# Altium PCB Gateway_V2.PcbDoc (part 1 of 2) (continued)
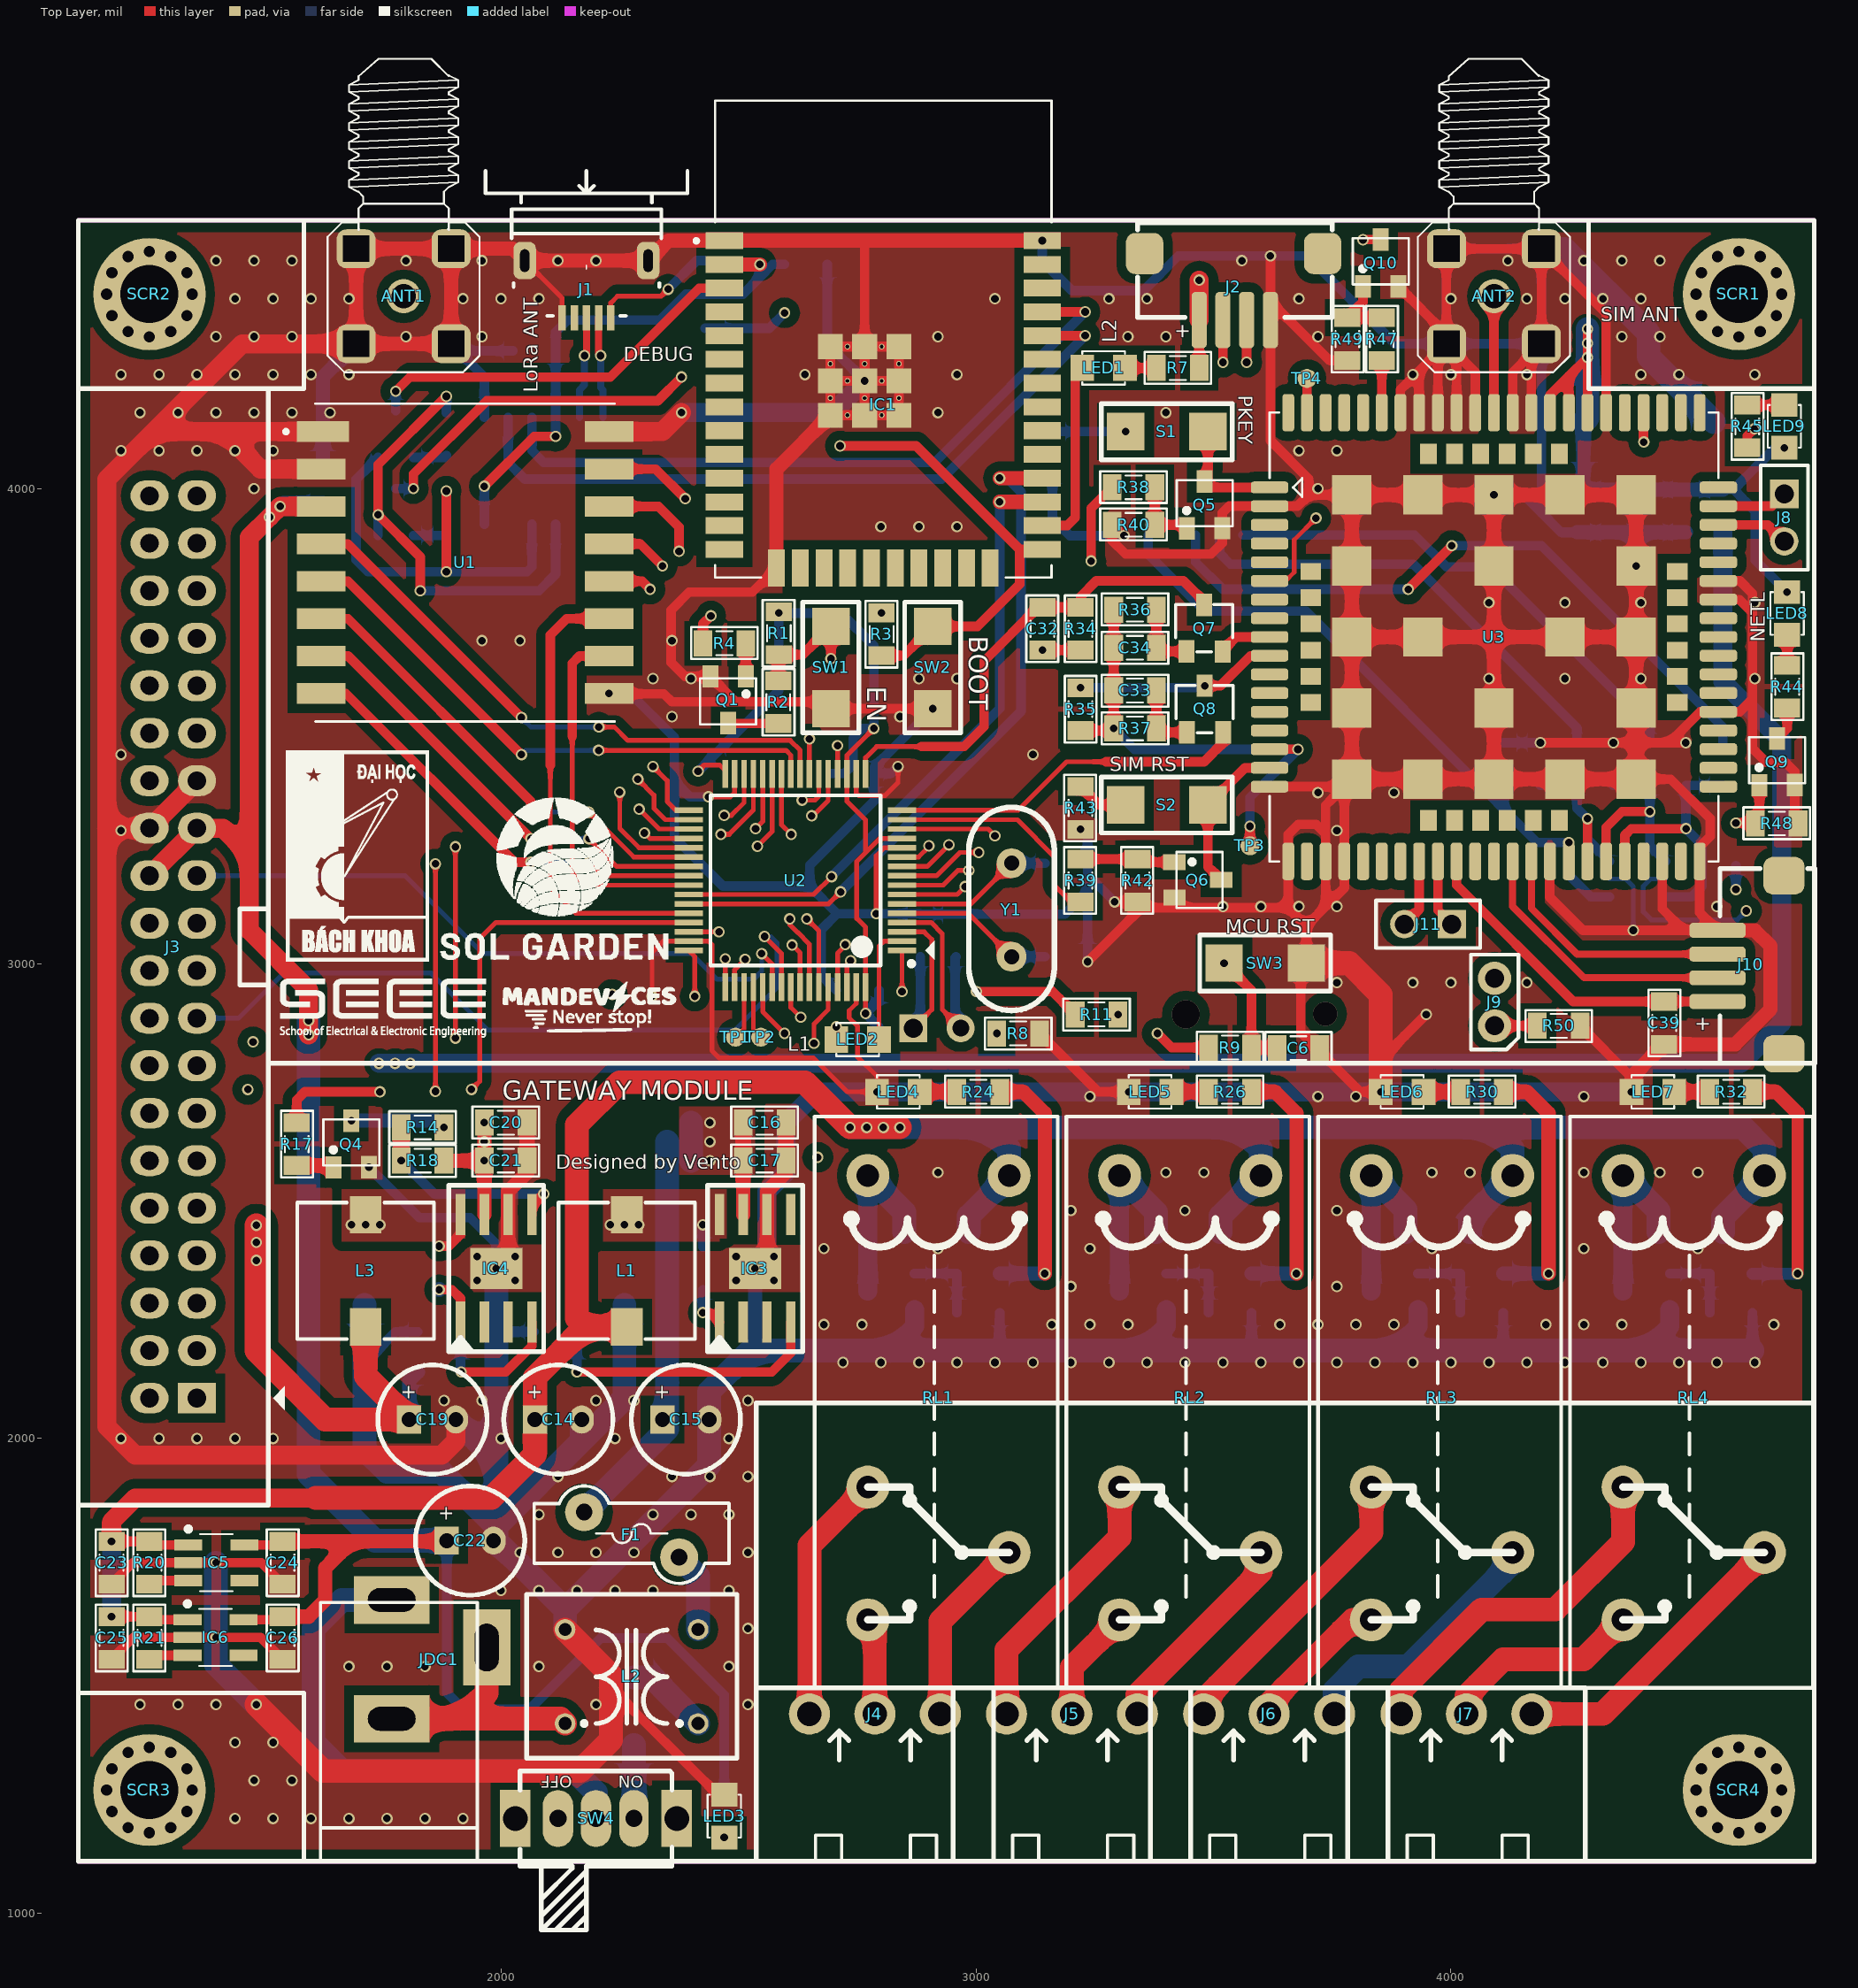
[diagram p0: Top Layer view]
## Classes and differential pairs
component class Main: SCR1 SCR2 SCR3 SCR4
component class U_SIM4G: ANT2 C27 C28 C29 C30 C31 C32 C33 C34 C35 C36 C37 C38 C39 FB1 IC11 J8 J9 J10 J11 LED8 LED9 Q5 Q6 Q7 Q8 Q9 Q10 R34 R35 R36 R37 R38 R39 R40 R41 R42 R43 R44 R45 R46 R47 R48 R49 R50 R51 R52 R53 S1 S2 TP3 TP4 U3 U4
component class 06: D5 D6 D7 D8 IC7 IC8 IC9 IC10 J4 J5 J6 J7 LED4 LED5 LED6 LED7 R22 R23 R24 R25 R26 R27 R28 R29 R30 R31 R32 R33 RL1 RL2 RL3 RL4
component class 05: J3
component class 04: C13 C14 C15 C16 C17 C18 C19 C20 C21 C22 C23 C24 C25 C26 D2 D3 D4 F1 IC3 IC4 IC5 IC6 JDC1 L1 L2 L3 LED3 Q4 R12 R13 R14 R15 R16 R17 R18 R19 R20 R21 SW4
component class 03: C1 C2 D1 IC1 IC2 J1 LED1 Q1 Q2 Q3 R1 R2 R3 R4 R5 R6 R7 SW1 SW2
component class 02: ANT1 C3 U1
component class 01: BT1 C4 C5 C6 C7 C8 C9 C10 C11 C12 J2 LED2 R8 R9 R10 R11 SW3 TP1 TP2 U2 Y1 Y2
differential pair SIM: +SIM_P -SIM_N
differential pair D: +D_P -D_N

## Components (designator, comment, footprint, x,y, rotation, side; value= is the part's Value field where it differs from the comment)
ANT1 "anten" SMA-RA 1795,4405 r180 top
ANT2 "anten" SMA-RA 4090.63,4405 r180 top
BT1 "PIN 3V" "CR1220 SMD" 3595,2902 r90 bottom
C1 "10uF" CAP_0805 2642,4472.09 r0 bottom value=33p
C2 "100nF" CAP_0805 2070,4290 r180 bottom value=33p
C3 "10uF" CAP_0805 1625,4015 r270 bottom value=33p
C4 "22pF" CAP_0805 3190,3014.54 r180 bottom value=33p
C5 "22pF" CAP_0805 3190,3211.39 r180 bottom value=33p
C6 "100nF" CAP_0805 3678.88,2822 r180 top value=33p
C7 "100nF" CAP_0805 2363,2931 r0 bottom value=33p
C8 "100nF" CAP_0805 2410,3445 r0 bottom value=33p
C9 "100nF" CAP_0805 2751,2944 r0 bottom value=33p
C10 "4.7uF" CAP_0805 2741,3400 r180 bottom value=33p
C11 "10pF" CAP_0805 2883,3059 r270 bottom value=33p
C12 "10pF" CAP_0805 2958,3059 r270 bottom value=33p
C13 "10nF" CAP_0805 2425,2358.19 r270 bottom value=33p
C14 "220uF/16V" C8mm 2120.79,2040 r0 top
C15 "470uF/25V" C8mm 2389.21,2040 r0 top
C16 "10uF" CAP_0805 2555,2665 r180 top value=33p
C17 "4.7uF" CAP_0805 2555,2585 r180 top value=33p
C18 "10nF" CAP_0805 1870,2360 r270 bottom value=33p
C19 "220uF/16V" C8mm 1855.79,2040 r0 top
C20 "10uF" CAP_0805 2010,2665 r180 top value=33p
C21 "4.7uF" CAP_0805 2010,2585 r180 top value=33p
C22 "220uF/10V" C8mm 1935,1785 r0 top
C23 "10uF" CAP_0805 1180,1738.43 r90 top value=33p
C24 "10uF" CAP_0805 1540,1738.43 r90 top value=33p
C25 "10uF" CAP_0805 1180,1580 r90 top value=33p
C26 "10uF" CAP_0805 1540,1580 r90 top value=33p
C27 "Cap Pol" CAP_7343 4414,4140 r0 bottom
C28 "1uF" CAP_0805 4495,3953 r90 bottom value=33p
C29 "100nF" CAP_0805 4419,3953 r90 bottom value=33p
C30 "33pF" CAP_0805 4343,3953 r90 bottom value=33p
C31 "10pF" CAP_0805 4266,3953 r90 bottom value=33p
C32 "470pF" CAP_0805 3140,3705 r270 top value=33p
C33 "1nF" CAP_0805 3335,3575 r0 top value=33p
C34 "1nF" CAP_0805 3335,3665 r0 top value=33p
C35 "100nF" CAP_0805 4111.61,3420 r90 bottom value=33p
C36 "22pF" CAP_0805 4188.4,3420 r90 bottom value=33p
C37 "22pF" CAP_0805 4342,3420 r90 bottom value=33p
C38 "22pF" CAP_0805 4494.6,3420 r270 bottom value=33p
C39 "100nF" CAP_0805 4449,2875 r90 top value=33p
D1 "SS34" DO-214AC(SMA) 2433,4431 r90 bottom
D2 "SS34" DO-214AC(SMA) 2277,1404 r270 bottom
D3 "SS34" DO-214AC(SMA) 2257,2330 r270 bottom
D4 "SS34" DO-214AC(SMA) 1710,2330 r270 bottom
D5 "1N4147" DIO_R_SMD 2917.09,2435 r0 bottom
D6 "1N4147" DIO_R_SMD 3447.09,2435 r0 bottom
D7 "1N4147" DIO_R_SMD 3972.09,2435 r0 bottom
D8 "1N4147" DIO_R_SMD 4505,2435 r0 bottom
F1 "F1A" FUSE2C 2400,1800 r180 top value=Fuse
FB1 "22R@1MHz" RES-SMD-0805 4573,3953 r90 bottom
IC1 "ESP32-WROOM-32" MODULE_ESP32-WROOM-32 2805,4315 r0 top
IC2 "CH340C" SO16 2140,4037.64 r270 bottom
IC3 "TPS5430" TPS5430-2 2535,2358.19 r90 top
IC4 "TPS5430" TPS5430-2 1990,2358.19 r90 top
IC5 "RT9013" SOT23-5 1400.79,1738.43 r0 top
IC6 "RT9013" SOT23-5 1399.06,1581.03 r0 top
IC7 "AO3400" SOT23A 2821.58,2310.2 r270 bottom
IC8 "AO3400" SOT23A 3351.58,2310.2 r270 bottom
IC9 "AO3400" SOT23A 3881.58,2310.2 r270 bottom
IC10 "AO3400" SOT23A 4411.58,2310.2 r270 bottom
IC11 "TPD4E001" SOT23-6 4393,3178 r0 bottom
J1 "USB-5" USB-M4 2180,4480 r180 top
J2 "ST_Link" "Header4 - SMD 1.25mm - B" 3315,4270 r0 top
J3 "IDE IDC 40" "IDE 20X2" 1360,2085 r90 top
J4 "KF3" KF3-3.5-EDG 2787.2,1420 r0 top
J5 "KF3" KF3-3.5-EDG 3202.2,1420 r0 top
J6 "KF3" KF3-3.5-EDG 3617.2,1420 r0 top
J7 "KF3" KF3-3.5-EDG 4032.8,1420 r0 top
J8 "JP2" JP2-C1T 4702,3989 r270 top
J9 "JP2" JP2-CLOSED 4092,2869 r180 top
J10 "JP4" "Header4 - SMD 1.25mm - B" 4476.3,3225 r270 top
J11 "JP2" JP2-C1T 4002,3083 r180 top
JDC1 "Jac DC" DC-IN 1870,1535 r90 top
L1 "22uH" L-SMD-M-7.3x4.5 2265,2353.19 r0 top value="150 mH"
L2 "Inductor Filter" EE8.3 2482,1342 r90 top value="Loc 220"
L3 "22uH" L-SMD-M-7.3x4.5 1715,2353.19 r0 top value="150 mH"
LED1 "LED" LED-0805-Blue 3314,4254 r180 top value="LED 3 ly Single Colour"
LED2 "LED" LED-0805-Green 2706,2840 r0 top value="LED 3 ly Single Colour"
LED3 "LED" LED-0805-Red 2470,1160 r90 top value="LED 3 ly Single Colour"
LED4 "LED" LED-0805-Red 2881.71,2730 r180 top value="LED 3 ly Single Colour"
LED5 "LED" LED-0805-Red 3411.71,2730 r180 top value="LED 3 ly Single Colour"
LED6 "LED" LED-0805-Red 3942.35,2730 r180 top value="LED 3 ly Single Colour"
LED7 "LED" LED-0805-Red 4470.01,2730.01 r180 top value="LED 3 ly Single Colour"
LED8 "LED" LED-0805-Orange 4708,3782 r270 top value="LED 3 ly Single Colour"
LED9 "LED" LED-0805-Orange 4702,4086 r90 top value="LED 3 ly Single Colour"
Q1 "2SC1815" SOT23D 2478,3555.6 r180 top value=C1815
Q2 "C1815" SOT23D 1778.28,4115 r180 bottom
Q3 "C1815" SOT23D 1778.28,3950.79 r180 bottom
Q4 "2SC1815" SOT23D 1685,2620 r0 top value=C1815
Q5 "2SC1815" SOT23D 3481.71,3965.79 r0 top value=C1815
Q6 "2SC1815" SOT23D 3467,3176 r270 top value=C1815
Q7 "MMBT3904" MMBT3904 3480.61,3706.17 r0 top
Q8 "MMBT3904" MMBT3904 3481.51,3535.79 r0 top
Q9 "2SC1815" SOT23D 4687,3424.79 r0 top value=C1815
Q10 "2SC1815" SOT23D 3852.35,4475 r0 top value=C1815
R1 "10k" RES-SMD-0805 2585,3695.38 r270 top
R2 "0R" RES-SMD-0805 2584,3550.39 r90 top
R3 "10k" RES-SMD-0805 2801.36,3693.38 r270 top
R4 "1k" RES-SMD-0805 2470.4,3674.39 r180 top
R5 "10k" RES-SMD-0805 1885,4115 r270 bottom
R6 "10k" RES-SMD-0805 1885,3950 r270 bottom
R7 "1k" RES-SMD-0805 3425,4254 r180 top
R8 "100k" RES-SMD-0805 3089,2853 r0 top
R9 "10k" RES-SMD-0805 3535,2823.14 r0 top
R10 "1k" RES-SMD-0805 2751,2867 r180 bottom
R11 "0R" RES-SMD-0805 3254,2893 r0 top
R12 "10k" RES-SMD-0805 2115,2140 r180 bottom
R13 "3k3" RES-SMD-0805 2115,2225 r0 bottom
R14 "0R" RES-SMD-0805 1835,2655 r180 top
R15 "1k" RES-SMD-0805 2470,1205 r90 bottom
R16 "10k" RES-SMD-0805 1870,2140 r180 bottom
R17 "1k" RES-SMD-0805 1570,2620 r90 top
R18 "100k" RES-SMD-0805 1835,2585 r0 top
R19 "4k7" RES-SMD-0805 1870,2225 r0 bottom
R20 "100k" RES-SMD-0805 1260,1738.43 r270 top
R21 "100k" RES-SMD-0805 1260,1580 r270 top
R22 "330R" RES-SMD-0805 3005,2347.2 r180 bottom
R23 "330R" RES-SMD-0805 3535,2347.2 r180 bottom
R24 "330R" RES-SMD-0805 3005,2730 r180 top
R25 "100k" RES-SMD-0805 3005,2265 r180 bottom
R26 "330R" RES-SMD-0805 3535,2730 r180 top
R27 "100k" RES-SMD-0805 3535,2265 r180 bottom
R28 "330R" RES-SMD-0805 4065,2347.2 r180 bottom
R29 "330R" RES-SMD-0805 4590,2347.2 r180 bottom
R30 "330R" RES-SMD-0805 4065.64,2730.01 r180 top
R31 "100k" RES-SMD-0805 4065,2265 r180 bottom
R32 "330R" RES-SMD-0805 4590.01,2730.01 r180 top
R33 "100k" RES-SMD-0805 4590,2265 r180 bottom
R34 "4k7" RES-SMD-0805 3220,3705 r90 top
R35 "4k7" RES-SMD-0805 3220,3535.71 r90 top
R36 "4k7" RES-SMD-0805 3335,3745.1 r180 top
R37 "4k7" RES-SMD-0805 3335,3495 r180 top
R38 "4k7" RES-SMD-0805 3331.71,4002.68 r180 top
R39 "4k7" RES-SMD-0805 3220,3175 r270 top
R40 "47k" RES-SMD-0805 3331.71,3923.94 r180 top
R41 "10k" RES-SMD-0805 3161,4075 r270 bottom
R42 "47k" RES-SMD-0805 3340,3175 r270 top
R43 "10k" RES-SMD-0805 3220,3327.6 r270 top
R44 "1k" RES-SMD-0805 4708,3583 r90 top
R45 "1k" RES-SMD-0805 4624,4131 r90 top
R46 "4k7" RES-SMD-0805 4600,3251 r90 bottom
R47 "4k7" RES-SMD-0805 3854.41,4315 r90 top
R48 "47k" RES-SMD-0805 4686,3295 r180 top
R49 "47k" RES-SMD-0805 3782,4315 r90 top
R50 "10k" RES-SMD-0805 4227,2869 r0 top
R51 "22R" RES-SMD-0805 4265.2,3420 r90 bottom
R52 "22R" RES-SMD-0805 4418.8,3420 r90 bottom
R53 "22R" RES-SMD-0805 4572.39,3420 r90 bottom
RL1 "Relay" HF115F-XXX-1Z 3160.46,2650.92 r180 top
RL2 "Relay" HF115F-XXX-1Z 3690.46,2650.92 r180 top
RL3 "Relay" HF115F-XXX-1Z 4220.46,2650.92 r180 top
RL4 "Relay" HF115F-XXX-1Z 4750.46,2650.92 r180 top
S1 "SW-SMD" "SW 3x2x4" 3401.71,4120 r0 top
S2 "SW-SMD" "SW 3x2x4" 3401.71,3334 r0 top
SCR1 "Screw 3mm" SCREW 4606.3,4409.45 r0 top
SCR2 "Screw 3mm" SCREW 1259.84,4409.45 r0 top
SCR3 "Screw 3mm" SCREW 1259.84,1259.84 r0 top
SCR4 "Screw 3mm" SCREW 4606.3,1259.84 r0 top
SW1 "SW" "SW 3x2x4" 2694.64,3623.39 r90 top value="SW chip 2 pin"
SW2 "SW" "SW 3x2x4" 2909,3623.39 r90 top value="SW chip 2 pin"
SW3 "SW" "SW 3x2x4" 3609,3001 r180 top value="SW chip 2 pin"
SW4 "A_ON/OFF" SW102_SIDE 2280,1200 r180 top value="SW chip 2 pin"
TP1 "" TP_SMD 2494,2845 r90 top
TP2 "" TP_SMD 2547,2845 r90 top
TP3 "TEST POINT" TP_SMD 3577,3248 r180 top
TP4 "TEST POINT" TP_SMD 3697,4232 r180 top
U1 "Ra-02 LoRa" Ra-02 1924.21,3844.41 r0 top
U2 "STM32F103RCT6_MCU" "LQFP 64" 2620,3175 r180 top
U3 "A7672S" A7672S 4090.63,3687.56 r0 top
U4 "SIM-KF016" "Sim Socket" 3565,4205 r0 bottom value="Sim holder"
Y1 "8MHz" XTAL 3075,3115 r90 top
Y2 "32.768KHz" XTAL32K 2868,2864 r0 bottom

## Footprints (in the part's own frame and the unit in brackets; to place one, negate y for a bottom-side part, rotate by r counter-clockwise, add the part's x,y. Pads: shape width x height; smd on the part's side, far side on the other; paste and mask are expansions set on the pad)
A7672S [mm] "SIMCOM A7672S"
  rrect50% 2x0.635 smd: 1(-12,8) 2(-12,7) 3(-12,6) 4(-12,5) 5(-12,4) 6(-12,3) 7(-12,2) 8(-12,1) 9(-12,0) 10(-12,-1) 11(-12,-2) 12(-12,-3) 13(-12,-4) 14(-12,-5) 15(-12,-6) 16(-12,-7) 17(-12,-8) 35(12,-8) 36(12,-7) 37(12,-6) 38(12,-5) 39(12,-4) 40(12,-3) 41(12,-2) 42(12,-1) 43(12,0) 44(12,1) 45(12,2) 46(12,3) 47(12,4) 48(12,5) 49(12,6) 50(12,7) 51(12,8)
  rrect50% 0.635x2 smd: 18(-8,-12) 19(-7,-12) 20(-6,-12) 21(-5,-12) 22(-4,-12) 23(-3,-12) 24(-2,-12) 25(-1,-12) 26(0,-12) 27(1,-12) 28(2,-12) 29(3,-12) 30(4,-12) 31(5,-12) 32(6,-12) 33(7,-12) 34(8,-12) 52(8,12) 53(7,12) 54(6,12) 55(5,12) 56(4,12) 57(3,12) 58(2,12) 59(1,12) 60(0,12) 61(-1,12) 62(-2,12) 63(-3,12) 64(-4,12) 65(-5,12) 66(-6,12) 67(-7,12) 68(-8,12) 89(-11,-12) 90(-10,-12) 91(-9,-12) 92(9,-12) 93(10,-12) 94(11,-12) 95(11,12) 96(10,12) 97(9,12) 98(-9,12) 99(-10,12) 100(-11,12)
  rect 2.1x2.1 smd: 69(-7.6,7.6) 70(-7.6,3.8) 71(-7.6,0) 72(-7.6,-3.8) 73(-7.6,-7.6) 74(-3.8,-7.6) 75(0,-7.6) 76(3.8,-7.6) 77(7.6,-7.6) 78(7.6,-3.8) 79(7.6,0) 80(7.6,3.8) 81(7.6,7.6) 82(3.8,7.6) 83(0,7.6) 84(-3.8,7.6) 85(-3.8,0) 86(0,-3.8) 87(3.8,0) 88(0,3.8)
  rect 1.1x0.9 smd: 101(-9.8,3.5) 102(-9.8,2.1) 103(-9.8,0.7) 104(-9.8,-0.7) 105(-9.8,-2.1) 106(-9.8,-3.5) 113(9.8,-3.5) 114(9.8,-2.1) 115(9.8,-0.7) 116(9.8,0.7) 117(9.8,2.1) 118(9.8,3.5)
  rect 0.9x1.1 smd: 107(-3.5,-9.8) 108(-2.1,-9.8) 109(-0.7,-9.8) 110(0.7,-9.8) 111(2.1,-9.8) 112(3.5,-9.8) 119(3.5,9.8) 120(2.1,9.8) 121(0.7,9.8) 122(-0.7,9.8) 123(-2.1,9.8) 124(-3.5,9.8)
  silkscreen extent -12,-12 12,12, body extent -12,-12 12,12, height 2.6
C8mm [mm]
  rect 1.3x1.5 hole 0.8: 1(-1.25,0)
  oval 1.3x1.5 hole 0.8: 2(1.25,0)
  silkscreen extent -2.92,-2.92 2.92,2.92, body extent -3.15,-3.15 3.16,3.15, height 11.51
CAP_0805 [mil]
  rect 39.37x55 smd: 1(-45,0) 2(45,0)
  silkscreen extent -70,-34 70,33, body extent -40,-25 40,25, height 24
CAP_7343 [mm] "Capacitor Tantalum 7343"
  rrect50% 2.5x4.3 smd: 1(-3.429,0) 2(3.556,0)
  silkscreen extent -5.08,-2.54 5.21,2.54, body extent -3.75,-2.14 3.75,2.16, height 2.8
"CR1220 SMD" [mil] "CR1220 SMD"
  rect 98.43x157.48 smd: 1(-9,-341) 2(-9,353)
  silkscreen extent -279,-255 261,284, body extent -299,-362 281,394, height 179
DC-IN [mil] "Jac DC input"
  rect 100x160 hole 50 slot 100 at 90 deg: 1(125,100) 2(-125,100)
  rect 160x100 hole 50 slot 100 at 0 deg: 3(25,-100)
  silkscreen extent -425,-80 120,250, body extent -410,-105 134,269, height 434
DIO_R_SMD [mil]
  rect 60x60 smd: 1(-67.91,0) 2(67.91,0)
  silkscreen extent -109,-40 109,41, body extent -71,-23 67,25, height 47
DO-214AC(SMA) [mm] "DO-214AC Diode Smallest Size"
  rect 2x2.1 smd: 1(1.245,-0.076) 2(-2.367,-0.076)
  silkscreen extent -3.56,-1.86 2.62,1.76, body extent -3.13,-1.38 2.07,1.22, height 2.4
EE8.3 [mm]
  round 1.1 hole 0.7: 1(1.473,1.702) 2(6.502,1.702) 3(6.502,8.814) 4(1.473,8.814)
  silkscreen extent -0.38,-0.38 8.38,10.87, body extent 0,0 8,10.5, height 8.85
FUSE2C [mil] "Fuse"
  round 80 hole 35: 1(25,50) 2(225,-45)
  silkscreen extent -80,-100 330,105, body extent -76,-59 326,59, height 618
"Header4 - SMD 1.25mm - B" [mm] "CON4"
  rrect50% 0.8x3 smd: 1(3.937,2.159) 2(5.207,2.159) 3(6.477,2.159) 4(7.747,2.159)
  rrect50% 2x2.2 smd: 5(1.016,5.715) 5(10.541,5.715)
  silkscreen extent 0.64,2.29 11.05,7.37, body extent 0.7,2.54 10.99,7.24, height 3.45
HF115F-XXX-1Z [mm] "Relay"
  round 2.3 hole 1.2: 1(2.298,2.469) 2(9.858,2.469) 3(9.858,19.129) 4(2.298,22.629) 5(9.858,26.229)
  silkscreen extent -0.3,-0.69 12.7,29.87, body extent 0,0 12.4,29, height 16
"IDE 20X2" [mil]
  rect 65x80 hole 39.37: 1(0,0)
  oval 65x80 hole 39.37: 2(0,100) 3(100,0) 4(100,100) 5(200,0) 6(200,100) 7(300,0) 8(300,100) 9(400,0) 10(400,100) 11(500,0) 12(500,100) 13(600,0) 14(600,100) 15(700,0) 16(700,100) 17(800,0) 18(800,100) 19(900,0) 20(900,100) 21(1000,0) 22(1000,100) 23(1100,0) 24(1100,100) 25(1200,0) 26(1200,100) 27(1300,0) 28(1300,100) 29(1400,0) 30(1400,100) 31(1500,0) 32(1500,100) 33(1600,0) 34(1600,100) 35(1700,0) 36(1700,100) 37(1800,0) 38(1800,100) 39(1900,0) 40(1900,100)
  silkscreen extent -225,-185 2125,250, body extent -204,-127 2104,223, height 354
JP2-C1T [mm] "2 row, straight, gold plating"
  rect 1.52x1.52 hole 1.02: 1(0,0)
  round 1.52 hole 1.02: 2(2.54,0)
  silkscreen extent -1.52,-1.27 4.06,1.27, body extent -1.52,-1.25 4.06,1.25, height 8.51
JP2-CLOSED [mil]
  round 70 hole 40: 1(0,0) 2(0,-100)
  silkscreen extent -50,-150 50,50, body extent -50,-152 50,50, height 300
KF3-3.5-EDG [mm] "3,50mm - modular - blue - Horizontal wire entry - Pressure clamp - 8,4mm height - 03p"
  round 2.2 hole 1.3: 1(-3.5,0) 2(0,0) 3(3.5,0)
  silkscreen extent -6.35,-7.87 6.35,1.4, body extent -6.25,-16.83 6.25,1.27, height 7.8
L-SMD-M-7.3x4.5 [mm] "WE-PDA SMD Shielded Power Inductor, 7345"
  rect 1.7x2 smd: 1(0,3) 2(0,-3)
  silkscreen extent -3.65,-3.65 3.65,3.65, body extent -3.65,-3.65 3.65,3.65, height 4.05
LED-0805-Blue [mil]
  rect 50x55 smd: 1(0,0) 2(90,0)
  silkscreen extent 0,-35 90,35, body extent 5,-25 85,25, height 43
LED-0805-Green [mil]
  rect 50x55 smd: 1(0,0) 2(90,0)
  silkscreen extent 0,-35 90,35, body extent 5,-25 85,25, height 43
LED-0805-Orange [mil]
  rect 50x55 smd: 1(0,0) 2(90,0)
  silkscreen extent 0,-35 90,35, body extent 5,-25 85,25, height 43
LED-0805-Red [mil]
  rect 50x55 smd: 1(0,0) 2(90,0)
  silkscreen extent 0,-35 90,35, body extent 5,-25 85,25, height 43
"LQFP 64" [mm] "QFP,0.50mm pitch,square;16 pin X 16 pin,10.00mm X 10.00mm X 1.60mm H body"
  rect 1.5x0.3 smd: 1(-5.7,3.75) 2(-5.7,3.25) 3(-5.7,2.75) 4(-5.7,2.25) 5(-5.7,1.75) 6(-5.7,1.25) 7(-5.7,0.75) 8(-5.7,0.25) 9(-5.7,-0.25) 10(-5.7,-0.75) 11(-5.7,-1.25) 12(-5.7,-1.75) 13(-5.7,-2.25) 14(-5.7,-2.75) 15(-5.7,-3.25) 16(-5.7,-3.75) 33(5.7,-3.75) 34(5.7,-3.25) 35(5.7,-2.75) 36(5.7,-2.25) 37(5.7,-1.75) 38(5.7,-1.25) 39(5.7,-0.75) 40(5.7,-0.25) 41(5.7,0.25) 42(5.7,0.75) 43(5.7,1.25) 44(5.7,1.75) 45(5.7,2.25) 46(5.7,2.75) 47(5.7,3.25) 48(5.7,3.75)
  rect 0.3x1.5 smd: 17(-3.75,-5.7) 18(-3.25,-5.7) 19(-2.75,-5.7) 20(-2.25,-5.7) 21(-1.75,-5.7) 22(-1.25,-5.7) 23(-0.75,-5.7) 24(-0.25,-5.7) 25(0.25,-5.7) 26(0.75,-5.7) 27(1.25,-5.7) 28(1.75,-5.7) 29(2.25,-5.7) 30(2.75,-5.7) 31(3.25,-5.7) 32(3.75,-5.7) 49(3.75,5.7) 50(3.25,5.7) 51(2.75,5.7) 52(2.25,5.7) 53(1.75,5.7) 54(1.25,5.7) 55(0.75,5.7) 56(0.25,5.7) 57(-0.25,5.7) 58(-0.75,5.7) 59(-1.25,5.7) 60(-1.75,5.7) 61(-2.25,5.7) 62(-2.75,5.7) 63(-3.25,5.7) 64(-3.75,5.7)
  silkscreen extent -7.44,-4.55 4.55,4.57, body extent -6,-6 6,6, height 1.5
MMBT3904 [mm]
  rect 0.85x1.2 smd: 1(-0.94,-1.245) 2(0.985,-1.25) 3(0.005,1.25)
  silkscreen extent -1.52,-1.27 1.52,1.27, body extent -1.5,-1.3 1.5,1.2, height 1.06
MODULE_ESP32-WROOM-32 [mm]
  rect 2x0.9 smd: 1(-8.5,5.26) 2(-8.5,3.99) 3(-8.5,2.72) 4(-8.5,1.45) 5(-8.5,0.18) 6(-8.5,-1.09) 7(-8.5,-2.36) 8(-8.5,-3.63) 9(-8.5,-4.9) 10(-8.5,-6.17) 11(-8.5,-7.44) 12(-8.5,-8.71) 13(-8.5,-9.98) 14(-8.5,-11.25) 25(8.5,-11.25) 26(8.5,-9.98) 27(8.5,-8.71) 28(8.5,-7.44) 29(8.5,-6.17) 30(8.5,-4.9) 31(8.5,-3.63) 32(8.5,-2.36) 33(8.5,-1.09) 34(8.5,0.18) 35(8.5,1.45) 36(8.5,2.72) 37(8.5,3.99) 38(8.5,5.26)
  rect 0.9x2 smd: 15(-5.715,-12.25) 16(-4.445,-12.25) 17(-3.175,-12.25) 18(-1.905,-12.25) 19(-0.635,-12.25) 20(0.635,-12.25) 21(1.905,-12.25) 22(3.175,-12.25) 23(4.445,-12.25) 24(5.715,-12.25)
  rect 1.33x1.33 smd: 39_1(-2.835,-0.405) 39_2(-1,-0.405) 39_3(0.835,-0.405) 39_4(-2.835,-2.24) 39_5(-1,-2.24) 39_6(0.835,-2.24) 39_7(-2.835,-4.075) 39_8(-1,-4.075) 39_9(0.835,-4.075)
  round 0.3 hole 0.2: 39_10(-1.917,-0.405) 39_11(-0.082,-0.405) 39_12(-2.835,-1.322) 39_13(-1,-1.322) 39_14(0.835,-1.322) 39_15(-1.917,-2.24) 39_16(-0.082,-2.24) 39_17(-2.835,-3.157) 39_18(-1,-3.157) 39_19(0.835,-3.157) 39_20(-1.917,-4.075) 39_21(-0.082,-4.075)
  silkscreen extent -10.1,-12.75 9,12.75, body extent -10.54,-12.75 8.98,12.75, height 3.2
Ra-02 [mm]
  rect 2.8x1.1 smd: 1(-7.6,7)
  rect 2.6x1.1 smd: 2(-7.7,5) 3(-7.7,3) 4(-7.7,1) 5(-7.7,-1) 6(-7.7,-3) 7(-7.7,-5) 8(-7.7,-7) 9(7.7,-7) 10(7.7,-5) 11(7.7,-3) 12(7.7,-1) 13(7.7,1) 14(7.7,3) 15(7.7,5) 16(7.7,7)
  silkscreen extent -9.68,-8.5 8,8.5, body extent -8,-8.49 8,8.51, height 3.03
RES-SMD-0805 [mil]
  rect 39.37x55 smd: 1(-45,0) 2(45,0)
  silkscreen extent -70,-34 70,33, body extent -39,-25 39,25, height 31
SCREW [mm] "SCREW"
  round 0.65 hole 0.6: 0(-2.286,0) 0(-2.007,-1.143) 0(-2.007,1.143) 0(-1.143,-2.007) 0(-1.143,2.007) 0(0,-2.286) 0(0,2.286) 0(1.143,-2.007) 0(1.143,2.007) 0(2.007,-1.143) 0(2.007,1.143) 0(2.286,0)
  round 6 hole 3.1: 0(0,0)
"Sim Socket" [mm] "Socket Micro Sim 6P Push"
  rect 0.9x1.35 smd: 1(-5.145,7.685) 2(-2.605,7.685) 3(-0.065,7.685) 5(-6.415,7.685) 6(-3.875,7.685) 7(-1.335,7.685)
  rect 1.56x2.61 smd: ""(-7.975,-7.5) ""(-7.975,5.2) ""(7.805,-7.5) ""(7.805,5.2)
  silkscreen extent -8,-9.2 7.8,8.4, body extent -8.2,-9 8.2,8.2, height 1.35
SMA-RA [mil]
  round 72 hole 51.18: 1(0,0)
  rrect50% 82x82 hole 55.12 square: 2(-100,-100) 3(100,-100) 4(100,100) 5(-100,100)
  silkscreen extent -160,-500 160,160, body extent -137,-457 139,137, height 394
SO16 [mil]
  oval 100x25 smd: 1(-112.36,175) 2(-112.36,125) 3(-112.36,75) 4(-112.36,25) 5(-112.36,-25) 6(-112.36,-75) 7(-112.36,-125) 8(-112.36,-175) 9(112.36,-175) 10(112.36,-125) 11(112.36,-75) 12(112.36,-25) 13(112.36,25) 14(112.36,75) 15(112.36,125) 16(112.36,175)
  silkscreen extent -220,-205 180,205, body extent -137,-195 137,195, height 69
SOT23-5 [mm] "SOT23, 5-Leads, Body 3.0x3.0mm (max), Pitch 0.95mm, IPC Medium Density"
  rect 1.5x0.6 smd: 1(-1.5,0.95) 2(-1.5,0) 3(-1.5,-0.95) 4(1.5,-0.95) 5(1.5,0.95)
  silkscreen extent -1.62,-1.52 0.87,1.92, body extent -1.75,-1.52 1.75,1.53, height 1.45
SOT23-6 [mm] "SOT23, 5-Leads, Body 3.0x3.0mm (max), Pitch 0.95mm, IPC Medium Density"
  rect 1.5x0.6 smd: 1(-1.5,0.95) 2(-1.5,0) 3(-1.5,-0.95) 4(1.5,-0.95) 5(1.5,0) 6(1.5,0.95)
  silkscreen extent -2.54,-2.11 2.54,2.11, body extent -1.75,-1.52 1.75,1.53, height 1.45
SOT23A [mm] "SOT 23A"
  rect 0.85x1.2 smd: 1(-0.94,-1.245) 2(0.005,1.25) 3(0.985,-1.25)
  silkscreen extent -1.47,-1.3 1.52,1.17, body extent -1.5,-1.3 1.5,1.2, height 1.06
SOT23D [mm] "SOT 23C - 1-3-2 - BCE"
  rect 0.85x1.2 smd: 1(-0.95,-1.25) 2(0.94,-1.245) 3(0,1.25)
  silkscreen extent -1.5,-1.14 1.5,1.32, body extent -1.5,-1.17 1.5,1.33, height 1.06
SW102_SIDE [mil]
  oval 62x120 hole 36: 1(0,0)
  oval 64x120 hole 36: 2(80,0) 3(160,0)
  rect 64x120 hole 52: GND(-90,0) GND(250,0)
  silkscreen extent -80,-100 240,235, body extent -89,-89 249,285, height 187
"SW 3x2x4" [mm]
  rect 2x2 smd: 1(-2.2,0) 2(2.2,0)
  silkscreen extent -3.5,-1.5 3.5,1.5, body extent -2.45,-1.45 2.45,1.45, height 2
TP_SMD [mil]
  round 40 smd: 1(0,0)
TPS5430-2 [mm]
  rect 2.2x0.508 smd: 1(-2.875,1.905) 2(-2.875,0.635) 3(-2.875,-0.635) 4(-2.875,-1.905) 5(2.875,-1.905) 6(2.875,-0.635) 7(2.875,0.635) 8(2.875,1.905)
  rect 2.2x2.8 smd: 9(0,0)
  silkscreen extent -4.44,-2.54 4.44,2.54, body extent -3.33,-2.49 3.33,2.49, height 1.69
USB-M4 [mm]
  rect 0.4x1.35 smd mask+0.05: 1(-1.3,3.069) 2(-0.65,3.069) 3(0,3.069) 4(0.65,3.069) 5(1.3,3.069)
  rrect60% 1.2x2 hole 0.5 slot 1.2 at 90 deg: 5(-3.3,0) 5(3.3,0)
  silkscreen extent -5.4,-4.8 5.4,2.95, body extent -3.93,-2.76 3.93,2.9, height 2.85
XTAL [mm]
  round 1.6 hole 0.8: 1(-2.552,0.001) 2(2.448,0.001)
  silkscreen extent -5.44,-2.29 5.44,2.29, body extent -5.55,-2.32 5.62,2.35, height 3.63
XTAL32K [mm] "Connector; Header; 2 Position"
  rect 1.5x1.5 hole 1.016: 1(0,0)
  round 1.5 hole 0.9: 2(2.54,0)
  silkscreen extent 0,0 2.54,8.89, body extent -0.55,-0.27 3.05,8.96, height 3.8

## Part data
ANT1: "Anten 5 pins"
BT1: "Battery 3VDC"
C1 C2 C3 C4 C5 C6 C7 C8 C9 C10 C11 C12 C13 C16 C17 C18 C20 C21 C23 C24 C25 C26 C28 C29 C30 C31 C32 C33 C34 C35 C36 C37 C38 C39: library part CapSMD, "Capacitor", LatestRevisionDate=17-Jul-2002, LatestRevisionNote="Re-released for DXP Platform.", PackageReference=RAD-0.3, Published=8-Jun-2000, Publisher="Altium Limited"
C14 C15 C19 C22: library part "Cap Pol", "Polarized Capacitor (Axial)", LatestRevisionDate=17-Jul-2002, LatestRevisionNote="Re-released for DXP Platform.", PackageReference=POLAR0.8, Published=8-Jun-2000, Publisher="Altium Limited"
C27: "Polarized Capacitor (Axial)", LatestRevisionDate=17-Jul-2002, LatestRevisionNote="Re-released for DXP Platform.", PackageReference=POLAR0.8, Published=8-Jun-2000, Publisher="Altium Limited"
D1 D2 D3 D4: library part "Diode Schottky", "Diode Schottky SS34"
D5 D6 D7 D8: library part "Diode Schottky", "Generic Diode Schottky"
F1: library part Fuse, "Fuse RUEF300 30V 3A", Designed by=VanDungEvn
FB1: library part "Ferrit Bead", "Generic Ferrit Bead"
IC1: "Bluetooth, WiFi Transceiver Module 2.4GHz ~ 2.5GHz Surface Mount", Package="Module Espressif Systems", Digi-Key_Part_Number=1904-1010-1-ND, Digi-Key_Purchase_URL=https://www.digikey.com/product-detail/en/espressif-systems/ESP32-WROOM-32/1904-1010-1-ND/8544305?utm_source=snapeda&utm_medium=aggregator&utm_campaign=symbol, MF="Espressif Systems", MP=ESP32-WROOM-32, SnapEDA_Link=https://www.snapeda.com/parts/ESP32-WROOM-32/Espressif%20Systems/view-part/2753322/?ref=snap
IC5 IC6: "RT9013-33GB IC REG LINEAR 3.3V 500mA SOT23-5"
IC7 IC8 IC9 IC10: library part MOSFET_N, "Generic N Channel MOSFET"
J1: Manufacturer=FCI, Manufacturer Part Number=10118193-0001LF, Supplier Part Number 1=609-4616-1-ND, .Checked PCB=RF, .Checked SCH=MM, .Creator=MM, Category="Connectors, Interconnects", ComponentLink1Description=http://portal.fciconnect.com/Comergent//fci/drawing/10118193.pdf, ComponentLink1URL=http://portal.fciconnect.com/Comergent//fci/drawing/10118193.pdf, Connector Type="USB - micro B", Features="Shielded, Solder Retention", Gender=Receptacle, Ingress Protection=-, Mounting Type="Surface Mount, Right Angle, Horizontal", Number of Contacts=5, Packaging="Cut Tape (CT)", Pricing 1="1=0.46, 10=0.433, 25=0.3712, 50=0.3156, 100=0.3032, 250=0.27224, 500=0.25988 (USD)", RoHS="RoHS Compliant", Specifications="USB 2.0", Stock 1=28642, Supplier 1=Digi-Key
J2: library part Header4, "Header IDC, 4 x 1 Pin Vertical 2.54mm Pitch (Non-Boxed, Male)", Manufacturer="Würth Elektronik eiSos GmbH", partNo=613002143121, ComponentLink1 Description=Manufacturer, ComponentLink1URL=http://www.we-online.com, ComponentLink2 Description=Datasheet, ComponentLink2URL=http://katalog.we-online.de/em/datasheet/6130xx143121.pdf, Created by="Karrer Zheng", Created Date="29 March 2013", NoPins=02
J3: library part "IDC 20X2"
J4 J5 J6 J7: Manufacturer="Würth Elektronik eiSos GmbH", partNo=691103110003, ComponentLink1 Description=Manufacturer, ComponentLink1URL=http://www.we-online.com, ComponentLink2 Description=Datasheet, ComponentLink2URL=http://katalog.we-online.de/em/datasheet/6911031100xx.pdf, Created by="Karrer Zheng", Created Date="29 October 2013", NoPins=3
J8 J9 J11: "WR-PHD 2.54 mm Angled Socket Header", Manufacturer="Würth Elektronik eiSos GmbH", partNo=613002143121, ComponentLink1 Description=Manufacturer, ComponentLink1URL=http://www.we-online.com, ComponentLink2 Description=Datasheet, ComponentLink2URL=http://katalog.we-online.de/em/datasheet/6130xx143121.pdf, Created by="Karrer Zheng", Created Date="29 March 2013", NoPins=02
J10: "WR-PHD 2.54 mm Angled Socket Header", Manufacturer="Würth Elektronik eiSos GmbH", partNo=613004143121, ComponentLink1 Description=Manufacturer, ComponentLink1URL=http://www.we-online.com, ComponentLink2 Description=Datasheet, ComponentLink2URL=http://katalog.we-online.de/em/datasheet/6130xx143121.pdf, Created by="Karrer Zheng", Created Date="29 March 2013", NoPins=04
JDC1: library part DCIN, "Jac DC input"
L1 L3: library part Inductor, "Inductor"
L2: library part L_Filter, Designed by=VanDungEvn
LED1 LED2 LED3 LED4 LED5 LED6 LED7 LED8 LED9: "LED Single colour Green and Red"
Q1 Q4 Q5 Q6 Q9 Q10: library part C1815, "NPN 600mW, ECB", =C2383
Q2 Q3: library part 2SC1815, "NPN 600mW, ECB", =C2383
Q7 Q8: "NPN transitor"
R1 R2 R3 R4 R5 R6 R8 R9 R10 R11 R12 R13 R14 R15 R16 R17 R18 R19 R20 R21 R22 R23 R24 R25 R26 R27 R28 R29 R30 R31 R32 R33: library part "Resistor - SMD", "Resistor", Manufacturer="Generic Components", Class=Passive, Published=08/06/2000, Publisher="Altium Hobart Technology Centre"
R7 R34 R35 R36 R37 R38 R39 R40 R41 R42 R43 R44 R45 R46 R47 R48 R49 R50 R51 R52 R53: library part "Resistor - SMD", "Resistor SMD", Manufacturer="Generic Components", Class=Passive, Published=08/06/2000, Publisher="Altium Hobart Technology Centre"
RL1 RL2 RL3 RL4: library part Relay_HF, "Relay 12V, 220VAC/5A, 4 pins"
S1 S2: "Switch", LatestRevisionDate=17-Jul-2002, LatestRevisionNote="Re-released for DXP Platform.", PackageReference=SPST-2, Published=24-Mar-1999, Publisher="Altium Limited"
SCR1 SCR2 SCR3 SCR4: library part screw3m
SW1 SW2 SW3 SW4: library part SW2, "Switch button 2 pin"
TP1 TP2: library part TP, "CONNECT 1"
TP3 TP4: library part TP
U1: "LoRa Module Ra-02"
U2: library part stm32f103rct6
U4: library part "Sim holder", "SIM Card Holder KF-016"
Y1: library part XTAL, "Crystal Oscillator", LatestRevisionDate=17-Jul-2002, LatestRevisionNote="Re-released for DXP Platform.", PackageReference=R38, Published=8-Jun-2000, Publisher="Altium Limited"
Y2: library part XTAL/32KHz, "Crystal Oscillator", LatestRevisionDate=17-Jul-2002, LatestRevisionNote="Re-released for DXP Platform.", PackageReference=R38, Published=8-Jun-2000, Publisher="Altium Limited"
IC3 IC4: Name=TPS5430

## Via types
v1: diameter 24, hole 16, Top Layer to Bottom Layer, 426 vias
v2: diameter 51.18, hole 51.18, Top Layer to Bottom Layer, 1 vias
v3: diameter 59.06, hole 59.06, Top Layer to Bottom Layer, 1 vias

## Nets (pads, with @x,y where several pads share a name; then routed paths per layer and width w, separated by ;. In a path a pad name is that pad's centre, name@x,y a point inside that pad or via, vN(x,y) a via of type N, cw(c..) or ccw(c..) an arc to the next point about the centre after c; other vN are vias at no path point)
1PPS: U3.100
3V: R11.1 U2.1 | length 472.5
  Top Layer w10: v1(2844.41,2941) U2.1@2844.41,3027.36
  Top Layer w20: v1(3001,2941) 3157,2941 3159,2943 R11.1@3209,2893
  Signal Layer 2 w20: v1(2844.41,2941) v1(3001,2941)
3V3: C1.1 C2.1 C3.2 C7.2 C8.2 C9.2 C10.2 C22.1 C24.2 C26.2 C32.2 IC1.2 IC2.4 IC2.16 IC5.5 IC6.5 J2.1 J3.24 J3.25 R1.1 R3.1 R7.1 R9.1 R10.1 R15.2 R34.1 U1.3 U2.13 U2.19 U2.32 U2.48 U2.64 | length 14187.9
  Top Layer w10: U2.48@2395.59,3027.36 2408,3014.95 v1(2408,2931) ; v1(2415,3405) 2428,3418 2460.18,3418 2472.36,3405.82 U2.32@2472.36,3399.41 ; v1(2767.64,2895) U2.64@2767.64,2950.59 2767.64,3076.36 2749,3095 2749,3215 2767.64,3233.64 ; v1@2786,3496 v1(2785,3495) 2728.27,3438.27 U2.19@2728.27,3399.41 2728.27,3341.73 2767.64,3302.36 2767.64,3233.64 ; U2.13@2844.41,3263.58 2797.58,3263.58 2767.64,3233.64
  Top Layer w20: IC6.5@1458.11,1618.43 1533.43,1618.43 C26.2@1540,1625 ; IC5.5@1459.84,1775.83 1532.4,1775.83 C24.2@1540,1783.43 ; v1(1965,4005) 2070,4110 v1(2115,4110) ; v1(2585,3738) R1.1@2585,3740.39 ; v1(3140,3660) R34.1@3220,3660 ; v1(3382,2853) 3411.86,2823.14 3482.86,2823.14 R9.1@3490,2816 ; R7.1@3470,4254 J2.1@3470,4355
  Top Layer w30: C26.2@1540,1625 1595,1625 1630,1660 1630,1727.4 1686.03,1783.43 ; C24.2@1540,1783.43 1686.03,1783.43 ; C22.1@1885.79,1785 1884.22,1783.43 1686.03,1783.43 ; IC1.2@2470.35,4472.09 v1(2545,4472.09)
  Top Layer w40: J3.24@1260,3185 J3.25@1360,3285 1415,3285 1470,3230 ; v1(1595,2850) v1(1595,2880) 1595,2945 1470,3070 1470,3230 ; U1.3@1621.06,3962.52 v1(1535,3962.52) v1(1512.48,3940) 1470,3897.52 1470,3230 ; J2.1@3470,4355 v1(3470,4439)
  Signal Layer 2 w20: v1(1595,2850) v1(1595,2880) 1792,2880 1882,2790 2822,2790 ; 2182.91,4110 2554.53,3738.39 v1(2801.36,3738.39) 3061.61,3738.39 v1(3140,3660) ; v1(2408,2931) 2731.64,2931 v1(2767.64,2895) 2767.64,2844.36 2822,2790 ; v1(3382,2853) 3319,2790 2822,2790
  Signal Layer 2 w40: v1(1512.48,3940) v1(1535,3962.52) 1682.48,4110 v1(2115,4110) 2182.91,4110 v1(2545,4472.09) 3436.91,4472.09 v1(3470,4439)
  Bottom Layer w10: R10.1@2795.64,2867 R10.1@2796,2867
  Bottom Layer w20: C22.1@1885.79,1785 1885.79,1465 1920.79,1430 2060,1430 2210,1580 2350,1580 2470,1460 R15.2@2470,1250 ; IC2.16@1965,3925.28 v1(1965,4005) ; v1(2115,4110) IC2.4@2115,4150 C2.1@2115,4290 2115,4330 2140,4355 2335,4355 2389.45,4409.45 2509.45,4409.45 2545,4445 ; v1(2415,3405) C8.2@2455,3445 2585,3575 v1(2585,3738) 2716,3738 2785,3669 v1(2785,3495) 2762,3495 2741.32,3474.32 2741.32,3418.32 2723,3400 C10.2@2696,3400 ; v1(2545,4472.09) 2545,4445 ; C1.1@2597,4472.09 2572.09,4472.09 2545,4445 ; R10.1@2795.64,2867 v1(2767.64,2895) 2796,2923.36 C9.2@2796,2944
  Bottom Layer w30: v1(1535,3962.52) 1542.48,3970 C3.2@1625,3970
  Bottom Layer w50: v1(1595,2880) v1(1595,2850) 1595,1925 1735,1785 C22.1@1885.79,1785
3V8: C19.1 FB1.1 L3.2 R16.2 | length 5716.3
  Top Layer w50: v1(1485,2449) v1(1485,2413) v1(1485,2375) 1485,2185 1630,2040 C19.1@1806.57,2040 1715,2131.57 L3.2@1715,2235.08
  Signal Layer 2 w50: v1(1485,2375) v1(1485,2413) v1(1485,2449) 1485,2651 1624,2790 v1(1743,2790) v1(1777,2790) v1(1809,2790)
  Bottom Layer w30: C19.1@1806.57,2040 1806.57,2121.57 R16.2@1825,2140
  Bottom Layer w40: v1(1743,2790) v1(1777,2790) v1(1809,2790) 4611,2790 4696.3,2875.3 4696.3,3469.7 4573,3593 FB1.1@4573,3908
5V: C14.1 C23.2 C25.2 D1.2 D5.2 D6.2 D7.2 D8.2 IC5.1 IC6.1 L1.2 R12.2 R20.1 R21.1 RL1.1 RL2.1 RL3.1 RL4.1 | length 8979.7
  Top Layer w20: v1(1180,1625) R21.1@1260,1625 1266.57,1618.43 IC6.1@1340,1618.43 ; v1(1180,1783.43) R20.1@1260,1783.43 1267.6,1775.83 IC5.1@1341.73,1775.83
  Top Layer w40: v1(1180,1783.43) 1180,1825 1230,1875 1610,1875
  Top Layer w50: 1610,1875 1980,1875 2071.57,1966.57 C14.1@2071.57,2040 2071.57,2128.57 2178.08,2235.08 ; L1.2@2265,2235.08 2178.08,2235.08 ; v1(2840,2655) v1(2805,2655) v1(2770,2655) v1(2735,2655) 2640,2750 2250,2750 2160,2660 2160,2253.16 2178.08,2235.08
  Signal Layer 1 w20: v1(2597,4370) 2943,4370 3822,3491 3822,2861.7 RL3.1@4130,2553.7
  Bottom Layer w20: R12.2@2070,2140 2071.57,2138.43 C14.1@2071.57,2040 ; D1.2@2430,4337.8 2564.8,4337.8 v1(2597,4370)
  Bottom Layer w40: v1(1180,1625) v1(1180,1783.43)
  Bottom Layer w50: v1(2735,2655) v1(2770,2655) v1(2805,2655) v1(2840,2655) 3025,2655 ; D5.2@2985,2435 2985,2468.7 RL1.1@3070,2553.7 3070,2610 3025,2655 ; D6.2@3515,2435 3515,2468.7 RL2.1@3600,2553.7 3600,2610 3555,2655 ; D7.2@4040,2435 4040,2463.7 RL3.1@4130,2553.7 4130,2610 4085,2655 ; D8.2@4572.91,2435 4572.91,2466.61 RL4.1@4660,2553.7 4660,2610 4615,2655 4085,2655 ; 3025,2655 3555,2655 ; 3555,2655 4085,2655
12V: C15.1 C16.2 C17.2 C20.2 C21.2 F1.2 IC3.7 IC4.7 R18.2 | length 1434.7
  Top Layer w30: R18.2@1880,2585 v1(1965,2585) ; IC4.7@1965,2471.38 v1(1965,2585) ; v1(1965,2665) v1(1965,2625) v1(1965,2585) ; IC3.7@2510,2471.38 C17.2@2510,2585 C16.2@2510,2665
  Bottom Layer w50: F1.2@2175,1845 2340,2010 ; C15.1@2340,2040 2340,2010 ; 2350,2625 2350,2020 2340,2010 ; 2400,2585 2400,2665
  other v1: 2440,2585 2440,2625 2440,2665
BOOT0: R8.1 U2.60 | length 552.8
  Top Layer w10: v1(2659,2832) 2659,2873 2688.9,2902.9 U2.60@2688.9,2950.59
  Signal Layer 1 w10: v1(2659,2832) 2693,2798 2989,2798 v1(3044,2853)
BT_ANT: U3.93
C0: J4.3 RL1.4 | length 400.1
  Top Layer w50: J4.3@2925,1420 2925,1615 RL1.4@3070,1760
C1: J5.3 RL2.4 | length 447.7
  Top Layer w50: J5.3@3340,1420 3340,1460 3600,1720 RL2.4@3600,1760
C2: J6.3 RL3.4 | length 556.8
  Bottom Layer w50: J6.3@3755,1420 3755,1470 3805,1520 3910,1520 4130,1740 RL3.4@4130,1760
C3: J7.3 RL4.4 | length 630.2
  Top Layer w50: J7.3@4170.59,1420 4320,1420 RL4.4@4660,1760
CH340_RXD: IC1.35 IC2.3 | length 1467.1
  Top Layer w20: IC1.35@3139.65,4372.09 v1(3230,4372.09)
  Bottom Layer w20: IC2.3@2065,4150 2065,4080 2090,4055 2912.91,4055 v1(3230,4372.09)
CH340_TXD: IC1.34 IC2.2 | length 1540
  Top Layer w20: IC1.34@3139.65,4322.09 v1(3230,4322.09)
  Bottom Layer w20: IC2.2@2015,4150 2015,4055 2050,4020 2927.91,4020 v1(3230,4322.09)
D_N: IC2.6 J1.2 | length 213.1
  Top Layer w15: J1.2@2205.59,4359.18 2205.59,4284.2 v1(2209.79,4280)
  Bottom Layer w15: v1(2209.79,4280) 2209.79,4212.71 2215,4207.5 IC2.6@2215,4150
D_P: IC2.5 J1.3 | length 215.4
  Top Layer w15: v1(2175.79,4280) 2180,4284.2 J1.3@2180,4359.18
  Bottom Layer w15: IC2.5@2165,4150 2165,4207.5 2175.79,4218.29 v1(2175.79,4280)
DTR: IC2.13 Q3.2 R5.1 | length 987.7
  Top Layer w20: v1(1830,3785) 1830,3856.28 v1(1741.28,3945) 1741.28,4050.49 v1(1885,4194.21)
  Bottom Layer w20: Q3.2@1741.28,3901.79 v1(1741.28,3945) ; v1(1830,3785) 2080,3785 2115,3820 IC2.13@2115,3925.28 ; R5.1@1885,4160 v1(1885,4194.21)
EN: IC1.3 Q2.3 R1.2 R2.2 SW1.2 | length 2410.1
  Top Layer w20: v1(1778.28,4205) 1808.28,4235 2230,4235 2417.09,4422.09 IC1.3@2470.35,4422.09 ; R2.2@2584,3595.39 2584,3649.39 R1.2@2585,3650.39 2635.02,3650.39 SW1.2@2694.64,3710 v1(2694.64,3642)
  Signal Layer 1 w10: v1(1778.28,4205) 1928.28,4055 2589,4055 2694.64,3949.36 v1(2694.64,3642)
  Bottom Layer w20: Q2.3@1778.28,4164.21 v1(1778.28,4205)